# KiCad board oresat-adcs-card.kicad_pcb (continued)
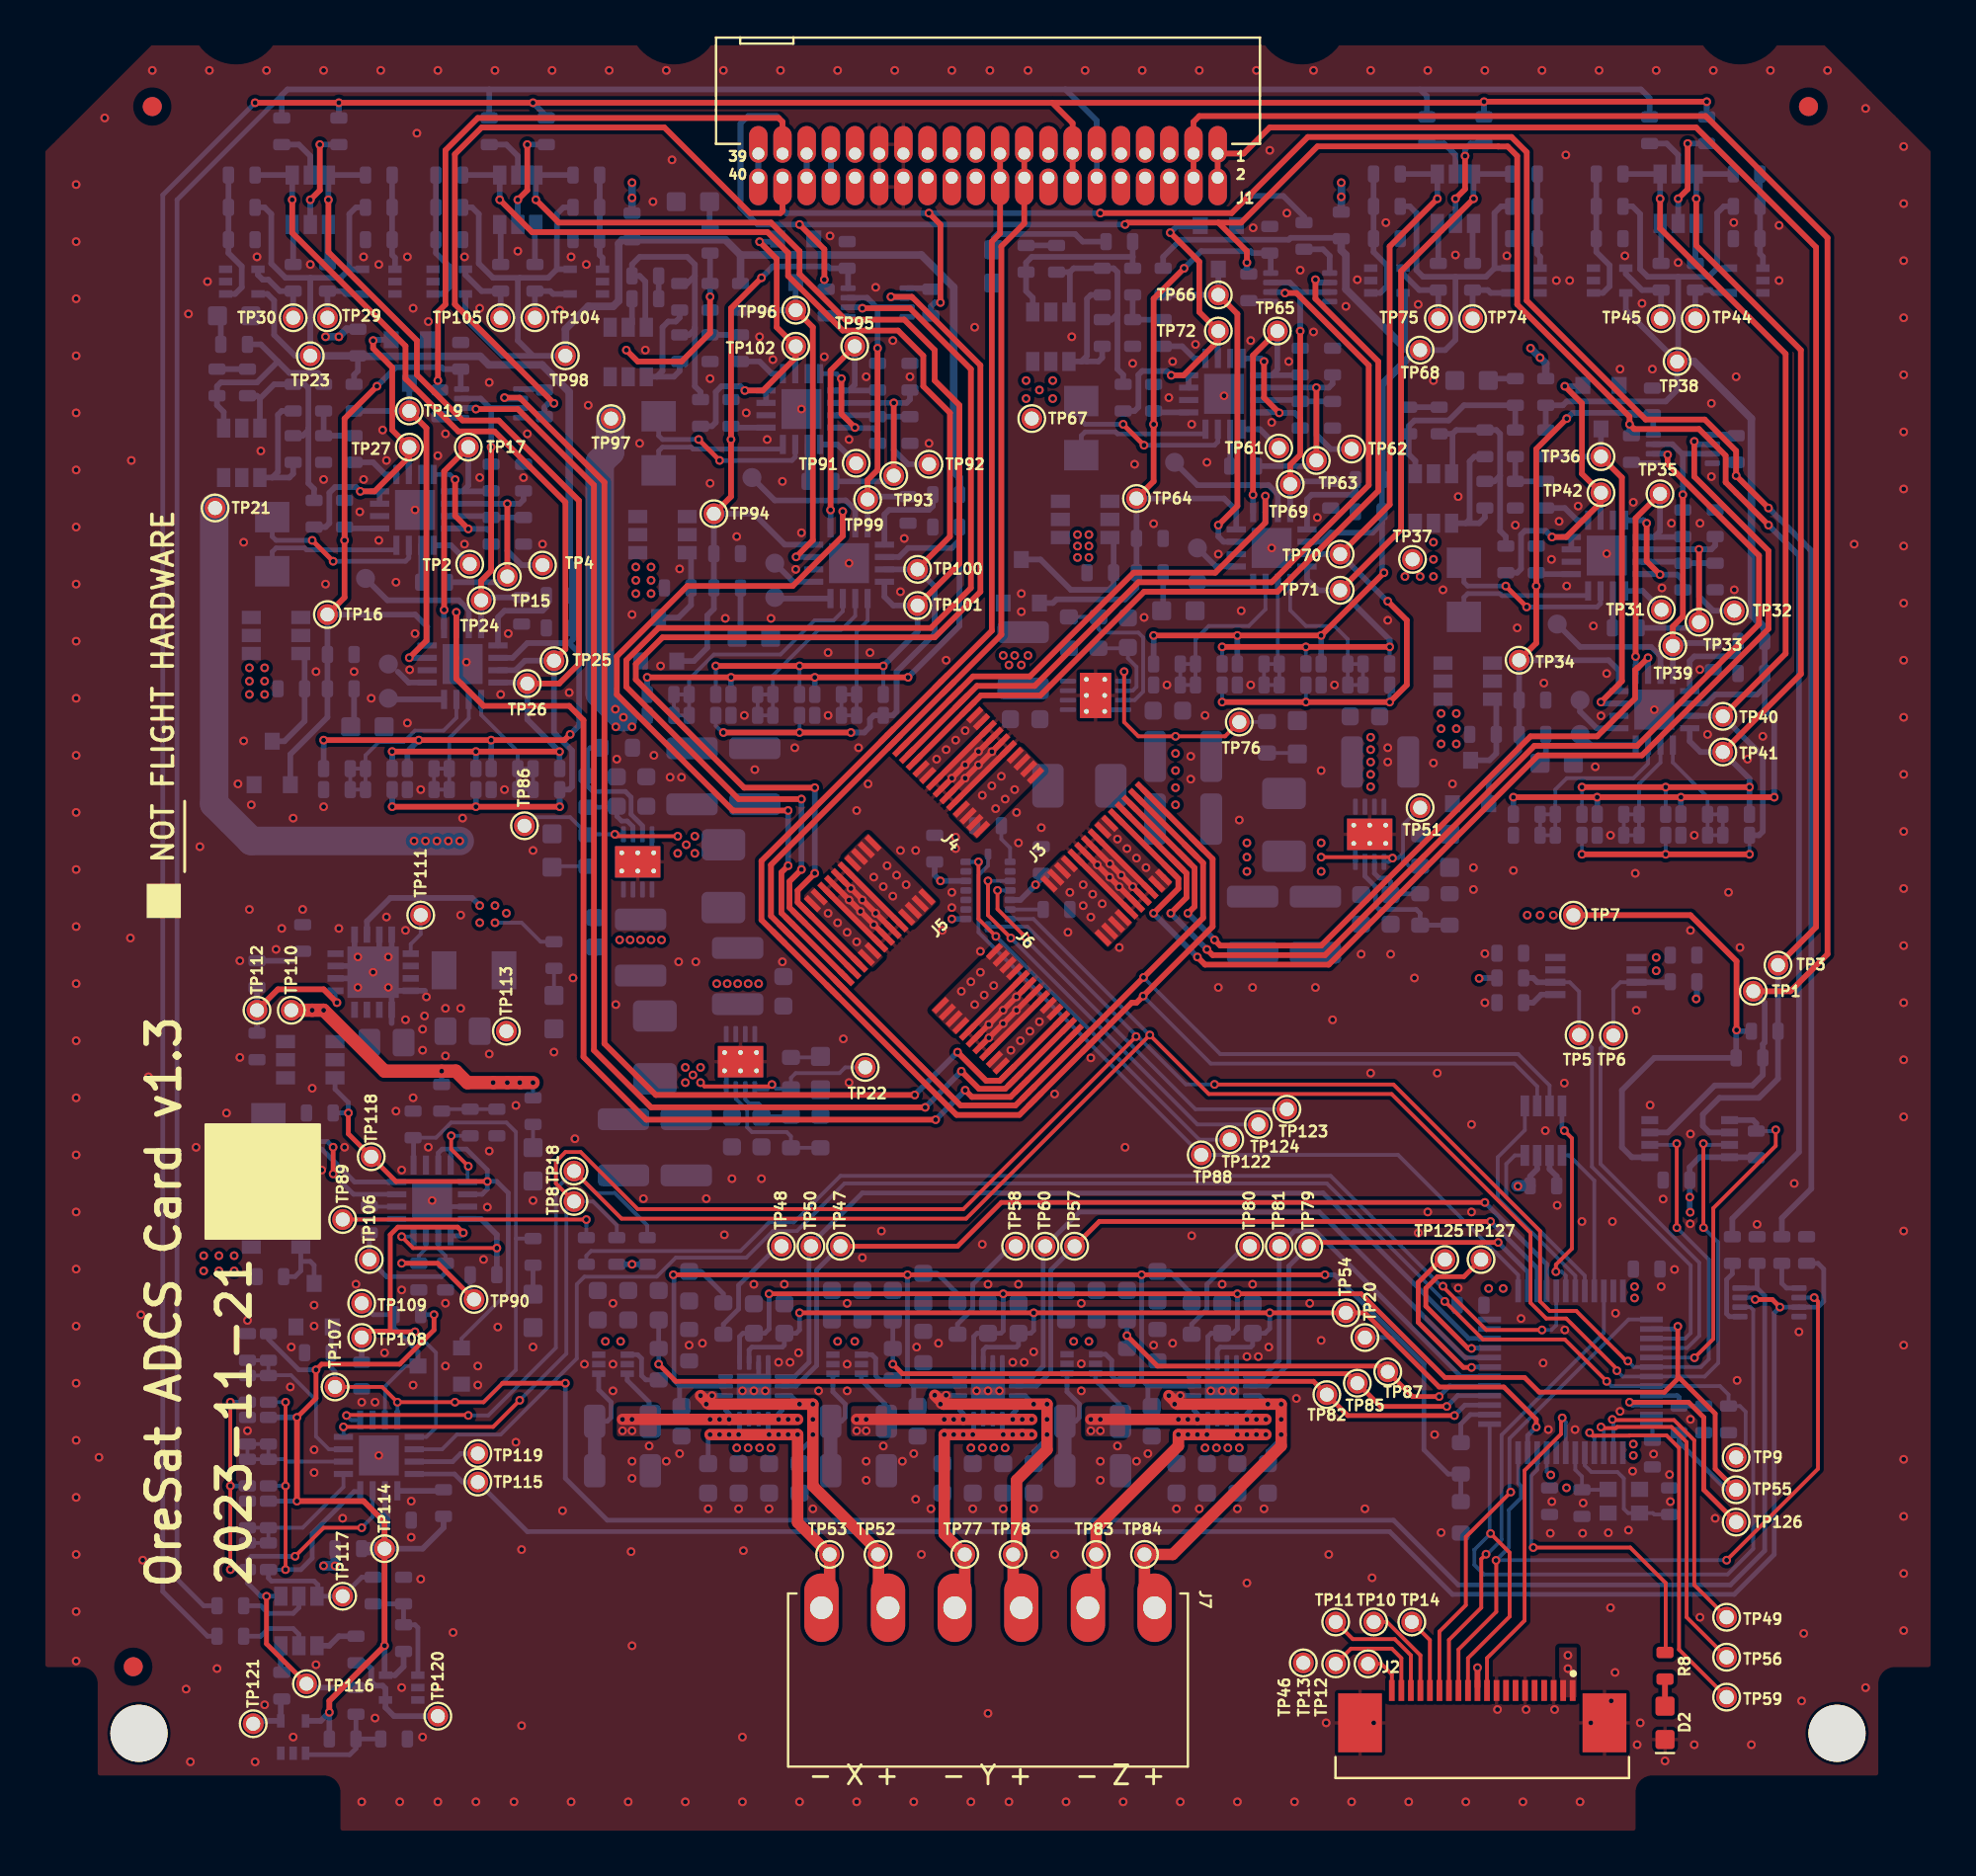
[diagram p0: board, top side]
## Nets (continued)
Net-(Q7-G): Q7.3 Q8.3 R55.1
Net-(Q10A-G): Q10.1 R68.2
Net-(Q10A-S): Q10.5 R53.2
Net-(Q10B-G): Q10.3 R74.2
Net-(Q10B-S): Q10.2 R73.2
Net-(Q11-G): C103.1 Q11.3 R101.1 R136.2 R137.2
Net-(Q11-S): C103.2 Q11.4 R95.2 R101.2 U10.15
Net-(Q12-G): Q12.3 Q13.3 R93.1
Net-(Q15A-G): Q15.1 R106.2
Net-(Q15A-S): Q15.5 R91.2
Net-(Q15B-G): Q15.3 R112.2
Net-(Q15B-S): Q15.2 R111.2
Net-(Q21-G): C105.1 Q21.3 R138.2 R139.2 R177.1
Net-(Q21-S): C105.2 Q21.4 R171.2 R177.2 U18.15
Net-(Q22-G): Q22.3 Q23.3 R169.1
Net-(Q25A-G): Q25.1 R182.2
Net-(Q25A-S): Q25.5 R167.2
Net-(Q25B-G): Q25.3 R188.2
Net-(Q25B-S): Q25.2 R187.2
Net-(Q26-S): Q26.4 R217.2 R223.2 U30.15
Net-(Q27-G): Q27.3 Q28.3 R215.1
Net-(Q30A-G): Q30.1 R268.2
Net-(Q30A-S): Q30.5 R213.2
Net-(Q30B-G): Q30.3 R272.2
Net-(Q30B-S): Q30.2 R271.2
Net-(Q31-G): C107.1 Q31.3 R140.2 R141.2 R253.1
Net-(Q31-S): C107.2 Q31.4 R247.2 R253.2 U26.15
Net-(Q32-G): Q32.3 Q33.3 R245.1
Net-(Q35A-G): Q35.1 R258.2
Net-(Q35A-S): Q35.5 R243.2
Net-(Q35B-G): Q35.3 R264.2
Net-(Q35B-S): Q35.2 R263.2
Net-(R130-Pad1): R130.1 U4.1
Net-(R131-Pad1): R131.1 U21.1
Net-(R132-Pad1): R132.1 U23.1
Net-(U1-SET): R2.2 U1.5
Net-(U3-SENSEA): R15.2 U3.4 U3.9 U4.3
Net-(U3-TOFF): R17.1 R18.1 TP48.1 U3.12
Net-(U4--): R15.1 R133.2 U4.4
Net-(U5-IO0): TP133.1 U5.4
Net-(U5-IO1): TP132.1 U5.5
Net-(U5-IO6): TP28.1 U5.11
Net-(U5-~{RESET}): R54.1 U5.13
Net-(U6-CIN1+): R59.1 R60.2 TP15.1 U6.10
Net-(U6-CIN1-): R61.1 R62.2 TP4.1 U6.11
Net-(U6-CIN2+): R61.2 U6.8 U6.12
Net-(U6-INHIBIT): R65.1 U6.5
Net-(U6-IOUT): R59.2 U6.14
Net-(U6-POUT): TP2.1 U6.13
Net-(U6-RS+): Q7.1 Q7.2 Q7.5 Q7.6 R57.1 U6.16
Net-(U7-INP): C10.1 R75.1 R76.1 U7.1
Net-(U7-OUT): R74.1 TP30.1 U7.4
Net-(U8-INP): C9.1 R71.1 R72.1 U8.1
Net-(U8-OUT): R68.1 TP29.1 U8.4
Net-(U9-IO0): TP129.1 U9.4
Net-(U9-IO1): TP128.1 U9.5
Net-(U9-IO6): TP43.1 U9.11
Net-(U9-~{RESET}): R92.1 U9.13
Net-(U10-CIN1+): R97.1 R98.2 TP33.1 U10.10
Net-(U10-CIN1-): R99.1 R100.2 TP32.1 U10.11
Net-(U10-CIN2+): R99.2 U10.8 U10.12
Net-(U10-INHIBIT): R103.1 U10.5
Net-(U10-IOUT): R97.2 U10.14
Net-(U10-POUT): TP31.1 U10.13
Net-(U10-RS+): Q12.1 Q12.2 Q12.5 Q12.6 R95.1 U10.16
Net-(U11-INP): C15.1 R113.1 R114.1 U11.1
Net-(U11-OUT): R112.1 TP45.1 U11.4
Net-(U12-INP): C14.1 R109.1 R110.1 U12.1
Net-(U12-OUT): R106.1 TP44.1 U12.4
Net-(U13-SDO1): R5.2 U13.15
Net-(U13-SDO2): R4.2 U13.10
Net-(U15-PB1): TP125.1 U15.19
Net-(U15-PB9): TP126.1 U15.46
Net-(U15-PB10): TP127.1 U15.21
Net-(U15-PC13): TP49.1 U15.2
Net-(U15-PC14-OSC32_IN): TP56.1 U15.3
Net-(U15-PC15-OSC32_OUT): TP59.1 U15.4
Net-(U15-PF0-OSC_IN): C36.1 U15.5 X2.1
Net-(U15-PF1-OSC_OUT): C30.1 U15.6 X2.3
Net-(U16-SENSEA): R16.2 U16.4 U16.9 U21.3
Net-(U16-TOFF): R23.1 R24.1 TP58.1 U16.12
Net-(U17-IO0): TP135.1 U17.4
Net-(U17-IO1): TP134.1 U17.5
Net-(U17-IO6): TP73.1 U17.11
Net-(U17-IO7): R126.2 TP69.1 U17.12 U39.3 U39.7
Net-(U17-~{RESET}): R168.1 U17.13
Net-(U18-CIN1+): R173.1 R174.2 TP63.1 U18.10
Net-(U18-CIN1-): R175.1 R176.2 TP62.1 U18.11
Net-(U18-CIN2+): R175.2 U18.8 U18.12
Net-(U18-INHIBIT): R179.1 U18.5
Net-(U18-IOUT): R173.2 U18.14
Net-(U18-POUT): TP61.1 U18.13
Net-(U18-RS+): Q22.1 Q22.2 Q22.5 Q22.6 R171.1 U18.16
Net-(U19-INP): C25.1 R189.1 R190.1 U19.1
Net-(U19-OUT): R188.1 TP75.1 U19.4
Net-(U20-INP): C24.1 R185.1 R186.1 U20.1
Net-(U20-OUT): R182.1 TP74.1 U20.4
Net-(U21--): R16.1 R134.2 U21.4
Net-(U22-SENSEA): R25.2 U22.4 U22.9 U23.3
Net-(U22-TOFF): R29.1 R30.1 TP80.1 U22.12
Net-(U23--): R25.1 R135.2 U23.4
Net-(U24-INTVcc): C57.1 R14.2 U24.6
Net-(U24-MODE): R14.1 R19.1 U24.7
Net-(U24-SW): L1.1 U24.1
Net-(U25-IO0): TP131.1 U25.4
Net-(U25-IO1): TP130.1 U25.5
Net-(U25-IO6): TP103.1 U25.11
Net-(U25-IO7): R127.2 TP99.1 U25.12 U37.3 U37.7
Net-(U25-~{RESET}): R244.1 U25.13
Net-(U26-CIN1+): R249.1 R250.2 TP93.1 U26.10
Net-(U26-CIN1-): R251.1 R252.2 TP92.1 U26.11
Net-(U26-CIN2+): R251.2 U26.8 U26.12
Net-(U26-INHIBIT): R255.1 U26.5
Net-(U26-IOUT): R249.2 U26.14
Net-(U26-POUT): TP91.1 U26.13
Net-(U26-RS+): Q32.1 Q32.2 Q32.5 Q32.6 R247.1 U26.16
Net-(U27-INP): C35.1 R265.1 R266.1 U27.1
Net-(U27-OUT): R264.1 TP105.1 U27.4
Net-(U28-INP): C34.1 R261.1 R262.1 U28.1
Net-(U28-OUT): R258.1 TP104.1 U28.4
Net-(U29-IO6): TP119.1 U29.11
Net-(U29-IO7): R124.2 TP115.1 U29.12 U41.3 U41.7
Net-(U29-~{RESET}): R214.1 U29.13
Net-(U30-CIN1+): R219.1 R220.2 TP106.1 U30.10
Net-(U30-CIN1-): R221.1 R222.2 TP90.1 U30.11
Net-(U30-CIN2+): R221.2 U30.8 U30.12
Net-(U30-INHIBIT): R225.1 U30.5
Net-(U30-IOUT): R219.2 U30.14
Net-(U30-RS+): Q27.1 Q27.2 Q27.5 Q27.6 R217.1 U30.16
Net-(U31-PG): TP111.1 U31.13
Net-(U31-SYNC): R227.1 R228.2 TP112.1 U31.5
Net-(U32-INP): C50.1 R273.1 R274.1 U32.1
Net-(U32-OUT): R272.1 TP121.1 U32.4
Net-(U33-INP): C49.1 R269.1 R270.1 U33.1
Net-(U33-OUT): R268.1 TP120.1 U33.4
Net-(U34-INTVcc): C74.1 R27.1 U34.6
Net-(U34-MODE): R27.2 R28.1 U34.7
Net-(U34-SW): L2.1 U34.1
Net-(U35-INTVcc): C78.1 R32.1 U35.6
Net-(U35-MODE): R32.2 R33.1 U35.7
Net-(U35-SW): L4.1 U35.1
Net-(U36-INTVcc): C81.1 R35.1 U36.6
Net-(U36-MODE): R35.2 R36.1 U36.7
Net-(U36-SW): L5.1 U36.1
Net-(U37-NO1): R38.2 U37.1
Net-(U37-NO2): R115.2 U37.5
Net-(U38-IN1): R125.2 TP39.1 U9.12 U38.3 U38.7
Net-(U38-NO1): R116.2 U38.1
Net-(U38-NO2): R117.2 U38.5
Net-(U39-NO1): R118.2 U39.1
Net-(U39-NO2): R119.2 U39.5
Net-(U40-IN1): R128.2 TP24.1 U5.12 U40.3 U40.7
Net-(U40-NO1): R120.2 U40.1
Net-(U40-NO2): R121.2 U40.5
Net-(U41-NO1): R122.2 U41.1
Net-(U41-NO2): R123.2 U41.5

Pads without a net: J2 4 5 7 8; U6 2; U7 3; U8 3; U10 2; U11 3; U12 3; U13 2 5 14; U18 2; U19 3; U20 3; U24 4; U26 2; U27 3; U28 3; U30 2; U32 3; U33 3; U34 4; U35 4; U36 4

## Via types
v1: diameter 0.457, hole 0.254, Top to Bottom, 1130 vias

## Routing (per net, layer and track width the routed paths; a pad name or vN(x,y) marks a point on that pad's centre or on a via; arc(x,y) is an arc through that point)
3.3V: length 48.4
  Top w0.3: 75.61,7.95 v1(75.61,8.95)
  In1.Cu w0.3: v1(52.4,50.1) 51.9,49.6 51.9,48.3 ; v1(47.4,50.3) 48.4,50.3 49.5,49.2 51,49.2 51.9,48.3 ; 51.9,48.3 v1(48,48.3) ; 51.9,48.3 55.85,44.35
  Bottom w0.2: U15.9 79.25,19.25 79.4,19.1 ; C28.2 84.8,21.7 U15.48 ; R199.2 26.4,47.1 25.4,48.1 v1(24,48.1)
  Bottom w0.3: C4.1 52.7,50.4 v1(52.4,50.1) 51.6,49.3 U13.11 ; C16.1 47.1,50.6 v1(47.4,50.3) U13.3 ; R12.2 v1(31.2,30.15) R11.2 ; 75.64,45.2 R1.2 ; U13.7 v1(48,48.3) ; C37.2 78.38,34.78 78.75,35.15 U14.3 ; R10.1 90.23,35.78 U2.8 87.28,35.78 86.76,35.25 86.76,34.58 C3.1 v1(86.76,33.68) 86.76,32.91 v1(86.79,32.89) ; U31.10 17.28,48.18 18.5,49.4 22.8,49.4 v1(23.2,49) ; R3.2 87.14,44.14 v1(87.1,44.1)
  Bottom w0.6: C37.2 77.68,34.28
  vias: v1(23.2,48.1) v1(24,49) v1(24.6,48.6) v1(29.8,26.1) v1(30.6,26.1) v1(42,26.1) v1(42.9,26.1) v1(54.4,26.1) v1(55.2,26.1) v1(75.7,45.18) v1(76.2,28.88) v1(76.96,28.88) v1(77.74,34.25) v1(79.46,19.08) v1(80.29,18.4) v1(83.8,20.7) v1(83.8,20.1) v1(83.86,28.98) v1(83.86,28.38) v1(85,46.28) v1(85,45.58)
5V_Q1: length 9.1
  Top w0.2: v1(71.15,51.5) 71.1,51.55 v1(67.4,51.55)
  Top w0.3: 59.12,50.49 J3.P$6
  Bottom w0.2: 71.7,51.75 71.7,53.25 TP51.1 ; 71.7,51.75 71.45,51.5 v1(71.15,51.5) 70.95,51.3 U24.5 ; 71.7,51.75 71.7,51.4 72.03,51.08 72.6,51.08
  vias: v1(56.7,52.5) v1(57.2,52) v1(57.7,51.5) v1(58.2,51) v1(63.5,52.3) v1(63.5,51.55) v1(63.5,50.8) v1(67.4,52.3) v1(67.4,50.8)
5V_Q2: length 11.3
  Top w0.2: TP76.1 62.35,57.9 v1(59.75,57.9) 57.8,57.9 57.05,58.65 v1(57.05,61.3)
  Bottom w0.2: R31.1 64.53,58.65 TP76.1 ; U34.5 57.05,60.85 v1(57.05,61.3)
  vias: v1(47.2,56.7) v1(47.7,57.2) v1(48.2,57.7) v1(48.7,58.2) v1(59.75,57) v1(59.75,56.1) v1(59.75,55.2) v1(59.75,54.3)
5V_Q3: length 9.1
  Top w0.2: v1(33.6,52.65) 30.4,52.65 v1(30.3,52.75)
  Bottom w0.2: U35.5 v1(30.3,52.75) 28.88,52.75 R34.1 28.85,52.75 27.95,53.65 26,53.65 TP86.1
  vias: v1(33.6,51.75) v1(34.05,52.2) v1(34.5,52.65) v1(34.5,51.75) v1(41.5,48.6) v1(42,48.1) v1(42.5,47.6) v1(43,47.1)
5V_Q4: length 10.7
  Top w0.2: v1(34.8,39.7) 35,39.5 38.45,39.5 v1(38.55,39.6)
  Bottom w0.2: TP22.1 42.4,40.5 42.1,40.2 39.8,40.2 39.55,39.95 R37.1 38.78,39.38 v1(38.55,39.6) 38.3,39.35 U36.5
  vias: v1(34,40.5) v1(34,39.7) v1(34.4,40.1) v1(34.8,40.5) v1(51.1,41.4) v1(51.6,41.9) v1(52.1,42.4) v1(52.6,42.9)
GND: length 102
  Top w0.3: J3.P$20 J3.P$11 ; J6.P$8 J6.P$23 ; J5.P$22 J5.P$9 ; J4.P$21 48.7,55.69 v1(48.7,55.7) v1(49.4,56.4) 49.41,56.4 v1(50.11,57.09) J4.P$10 ; J6.P$22 v1(51.4,43.5) v1(50.7,42.8) v1(49.95,42.05) J6.P$9 ; J5.P$10 J5.P$21 ; J3.P$10 v1(56.79,49.99) v1(56.29,50.49) v1(55.64,51.14) J3.P$21 ; J4.P$22 48,55.69 v1(48,55.7) v1(48.7,56.4) v1(49.4,57.1) 49.41,57.1 J4.P$9 ; J4.P$23 J4.P$8 ; J3.P$8 J3.P$23 ; J4.P$11 J4.P$20 ; J6.P$21 v1(51.39,44.21) v1(50.69,43.51) v1(49.94,42.76) J6.P$10 ; J6.P$20 J6.P$11 ; J5.P$8 J5.P$23 ; J3.P$9 57.5,49.99 v1(57.5,50) v1(56.9,50.6) v1(56.3,51.2) 56.29,51.2 J3.P$22 ; J5.P$11 J5.P$20
  Bottom w0.25: v1(50.5,23.5) 50.65,23.65 U16.16 ; U3.7 37.35,23.25 v1(37.6,23.5) 37.85,23.75 U3.15 ; U34.9 56.12,59.3 U34.8 ; U24.8 69.2,52.3 69.15,52.35 ; U22.7 61.95,23.25 v1(62.2,23.5) 62.45,23.75 U22.15 ; U3.16 38.35,23.65 v1(38.2,23.5) ; U36.9 36.15,40.23 U36.8 ; U16.7 49.65,23.25 v1(49.9,23.5) 50.15,23.75 U16.15 ; U30.7 21.03,33.18 v1(20.7,33.5) ; v1(62.8,23.5) 62.95,23.65 U22.16 ; U35.8 32.25,51.87 U35.9
  Bottom w0.3: 15.62,45.83 17.28,45.83 v1(17.6,45.5) ; 18.58,44.53 U31.16 20.32,44.53 ; 18.58,44.53 U31.1 18.58,42.83 ; 18.58,44.53 v1(17.6,45.5) ; v1(17.6,45.5) 17.93,45.83 U31.11 ; v1(17.6,45.5) 18.58,46.48 U31.12 ; v1(17.6,45.5) 17.28,45.18 15.62,45.18 ; v1(17.6,45.5) 16.62,46.48 16.62,47.48 ; U14.2 79.4,35.15 79.78,34.78 C37.1
  vias: v1(2,86.9) v1(2,83.9) v1(2,80.9) v1(2,77.9) v1(2,74.9) v1(2,71.9) v1(2,68.9) v1(2,65.9) v1(2,62.9) v1(2,59.9) v1(2,56.9) v1(2,53.9) v1(2,50.9) v1(2,47.9) v1(2,44.9) v1(2,41.9) v1(2,38.9) v1(2,35.9) v1(2,32.9) v1(2,29.9) v1(2,26.9) v1(2,23.9) v1(2,20.9) v1(2,17.9) v1(2,14.9) v1(2,11.9) v1(2,9.3) v1(3.2,20) v1(3.5,90.4) v1(4.9,72.4) v1(4.85,47.3) v1(5.4,27.5) v1(5.5,14.6) v1(5.8,40) v1(6,92.9) v1(7.78,7.83) v1(7.9,80.1) v1(8,4) v1(8.3,36.3) v1(8.5,52.1) v1(8.9,81.8) v1(9,92.9) v1(9.4,8.9) v1(9.9,38.1) v1(10.5,55.4) v1(10.6,46.1) v1(10.6,41.02) v1(10.8,68.1) v1(10.8,57.66) v1(11,27.2) v1(11,21.4) v1(11,17) v1(11.1,48.8) v1(11.2,54.3) v1(11.4,4) v1(11.5,83.1) v1(11.7,72.9) v1(11.9,7) v1(12,92.9) v1(12.5,46.7) v1(12.8,47.8) v1(13.25,23.7) v1(13.3,25.8) v1(13.4,53.6) v1(13.4,5.3) v1(13.9,48.8) v1(14.3,82.7) v1(14.4,39.4) v1(14.5,28) v1(14.5,26.9) v1(14.5,20.4) v1(14.5,19.2) v1(14.6,61.3) v1(14.6,9.1) v1(14.9,35.1) v1(15,92.9) v1(15,71.4) v1(15,54.2) v1(15.1,65.9) v1(15.8,47.8) v1(16,16.8) v1(16.1,36.3) v1(16.6,61.3) v1(16.7,29.1) v1(16.8,46.3) v1(16.8,44.7) v1(16.9,69.7) v1(17,22.9) v1(17,1.9) v1(17.1,83.1) v1(17.1,71.4) v1(17.5,59.9) v1(17.7,22.9) v1(17.7,6.3) v1(17.9,82.7) v1(17.9,68.2) v1(17.9,20.1) v1(18,92.9) v1(18.1,74) v1(18.2,25.5) v1(18.3,72.4) v1(18.3,48.4) v1(18.4,46.3) v1(18.4,44.7) v1(18.8,66) v1(18.8,38.2) v1(19,1.9) v1(19.1,35.1) v1(19.1,28.8) v1(19.1,7.9) v1(19.3,47.7) v1(19.3,43) v1(19.4,83.1) v1(19.4,58.6) v1(19.52,61.4) v1(19.6,17.7) v1(19.6,15.8) v1(19.7,80.4) v1(19.7,38.9) v1(19.7,23.8) v1(19.8,69.8) v1(19.8,63.3) v1(19.9,89.6) v1(20.1,55.1) v1(20.1,13.6) v1(20.2,42.5) v1(20.2,41.4) v1(20.2,5.3) v1(20.3,43.2) v1(20.4,44.2) v1(20.5,79.7) v1(20.5,36.3) v1(20.9,7.9) v1(21,92.9) v1(21,72.65) v1(21,1.9) v1(21.4,73.8) v1(21.4,43.6) v1(21.4,41.1) v1(21.4,28.1) v1(21.4,24.8) v1(21.8,10.8) v1(22.2,48.5) v1(22.2,43.6) v1(22.3,53.6) v1(22.4,83.1) v1(22.4,68) v1(22.5,61.8) v1(23,1.9) v1(23.1,24.8) v1(23.1,23.8) v1(23.2,80.4) v1(23.2,71.5) v1(23.4,30.4) v1(23.6,33.15) v1(23.7,76.5) v1(23.7,41.2) v1(23.7,36.1) v1(24,92.9) v1(24.15,26.85) v1(24.3,60.1) v1(24.5,55.1) v1(24.7,63.3) v1(25,1.9) v1(25.1,38.5) v1(25.1,20.8) v1(25.2,83.4) v1(25.4,15.16) v1(25.4,5.9) v1(25.5,71.5) v1(25.7,73.8) v1(26,51.9) v1(26,33.5) v1(26,25.8) v1(26.5,68) v1(27,92.9) v1(27.1,41.3) v1(27.4,80.3) v1(27.55,17.2) v1(27.9,60.2) v1(28,83.1) v1(28,1.9) v1(28.1,45.2) v1(28.2,36.75) v1(28.7,24.9) v1(28.8,82.7) v1(28.9,75.3) v1(30,92.9) v1(30.2,28.1) v1(30.2,24.9) v1(30.2,23.5) v1(30.35,43.8) v1(30.4,56.7) v1(31,1.9) v1(31.2,64.3) v1(31.2,19.8) v1(31.2,18.9) v1(31.15,15.05) v1(31.2,10.1) v1(31.6,73.3) v1(31.8,33.6) v1(31.9,78.2) v1(32.1,20.6) v1(32.3,86) v1(32.35,56.9) v1(32.7,61.6) v1(33,92.9) v1(33,19.8) v1(33.2,55.75) v1(33.3,88.2) v1(33.65,46.05) v1(33.7,66.7) v1(33.7,20.2) v1(33.8,55.75) v1(34,1.9) v1(34.2,25.9) v1(34.55,46.05) v1(34.9,26) v1(35.1,33.6) v1(35.2,17.3) v1(35.3,76.7) v1(35.3,71.2) v1(36,92.9) v1(36.1,64.1) v1(36.05,31.7) v1(36.45,34.65) v1(36.7,68.4) v1(36.8,17.3) v1(37,23.5) v1(37,5.3) v1(37,1.9) v1(37.1,59) v1(37.05,15.1) v1(37.2,74.9) v1(37.65,56.15) v1(37.6,29.1) v1(37.9,78.9) v1(38,34.65) v1(38.3,73.5) v1(38.4,17.3) v1(38.5,64.1) v1(38.6,77.7) v1(38.9,25) v1(39,92.9) v1(39.1,71.3) v1(39.1,46.05) v1(39.2,29.1) v1(39.5,25) v1(39.75,57.3) v1(39.8,66.68) v1(39.95,25.5) v1(40,1.9) v1(40.1,75.1) v1(40.1,68.6) v1(40.7,17.3) v1(41,23.5) v1(41.3,77.85) v1(41.5,62.3) v1(41.5,59) v1(41.6,84.2) v1(42,92.9) v1(42.3,42) v1(42.5,28.1) v1(42.5,24.9) v1(42.5,23.5) v1(42.6,73.5) v1(42.6,67) v1(42.6,49.3) v1(42.6,39.7) v1(42.7,49.9) v1(43,54) v1(43,1.9) v1(43.1,57.3) v1(43.2,48.7) v1(43.3,49.3) v1(43.3,30.5) v1(43.5,76.8) v1(43.5,19.8) v1(43.5,18.8) v1(43.6,55.4) v1(43.7,62.3) v1(43.9,48) v1(44,81.5) v1(44,48.6) v1(44.3,31.9) v1(44.4,20.6) v1(44.9,78.7) v1(45,92.9) v1(45.3,65.5) v1(45.3,51.9) v1(45.4,19.8) v1(45.5,68.3) v1(45.8,76.8) v1(46,20.2) v1(46,1.9) v1(46.1,51.9) v1(46.1,17.8) v1(46.15,25.8) v1(46.4,14.9) v1(46.8,73.3) v1(46.9,17.3) v1(47.3,26) v1(47.5,47.7) v1(47.7,61.9) v1(48,92.9) v1(48,49.7) v1(48,48.9) v1(48.2,52.6) v1(48.2,52) v1(49,1.9) v1(49.1,17.3) v1(49.2,79.4) v1(49.3,23.5) v1(49.5,46.6) v1(49.6,31.2) v1(49.9,29.1) v1(49.9,6.55) v1(50,92.9) v1(50.7,17.3) v1(51,1.9) v1(51.2,25) v1(51.4,53.9) v1(51.5,52.3) v1(51.5,29.1) v1(51.65,65.4) v1(51.65,64.45) v1(51.8,25) v1(52,92.9) v1(52.3,25.55) v1(52.3,17.3) v1(52.7,53.1) v1(53.4,39.1) v1(53.4,14.9) v1(54,1.9) v1(54.1,47.6) v1(54.3,78.9) v1(54.8,28.1) v1(54.8,24.92) v1(54.8,23.5) v1(55,92.9) v1(55.3,41) v1(55.8,19.8) v1(55.8,18.8) v1(56.7,20.6) v1(56.8,46.8) v1(57,1.9) v1(57.1,36.3) v1(57.5,77.5) v1(57.6,72.2) v1(57.7,19.8) v1(58,92.9) v1(58.1,64.15) v1(58.3,20.2) v1(58.6,69.08) v1(58.6,25.9) v1(59.3,60.6) v1(59.4,75.7) v1(59.6,77.6) v1(59.6,26) v1(59.8,17.3) v1(60,1.9) v1(60.6,74.3) v1(60.55,56.85) v1(60.55,55.65) v1(60.6,31.65) v1(60.8,78.5) v1(61,92.9) v1(61,17.3) v1(61.3,59) v1(61.4,72.3) v1(61.6,23.5) v1(62,67.48) v1(62,44.7) v1(62.2,29.1) v1(62.3,75.8) v1(63,17.3) v1(63,1.9) v1(63.1,53.5) v1(63.2,64.5) v1(63.5,25.3) v1(63.5,13.4) v1(63.7,78.7) v1(63.7,60.6) v1(63.83,84.63) v1(63.8,44.7) v1(63.8,29.1) v1(64,92.9) v1(64.1,25.3) v1(64.4,17.3) v1(64.65,25.8) v1(64.7,88.7) v1(64.8,74.4) v1(64.8,67.8) v1(65.6,85.4) v1(65.7,77.6) v1(66,1.9) v1(66.1,23.1) v1(66.3,82.4) v1(66.8,28.1) v1(67,92.9) v1(67,79.16) v1(67.1,44.7) v1(67.2,69.4) v1(67.4,56.1) v1(67.4,26.15) v1(67.66,6.05) v1(67.8,14.9) v1(68,43) v1(68.1,60.6) v1(68.7,80.5) v1(69,1.9) v1(69.3,81.9) v1(69.5,46.45) v1(69.7,17.3) v1(70,92.9) v1(70,40.2) v1(70.08,13.68) v1(70.16,6.05) v1(70.8,84.9) v1(70.9,64) v1(70.9,57.3) v1(70.9,56.55) v1(71.05,46.45) v1(72,1.9) v1(72.3,45.2) v1(72.5,80.6) v1(72.5,31.8) v1(73,92.9) v1(73,32.9) v1(73.3,76.6) v1(73.3,56.5) v1(73.36,21.2) v1(73.5,40.2) v1(73.7,16.05) v1(73.8,65.6) v1(74.3,55.4) v1(74.46,83.2) v1(74.6,70.5) v1(74.6,28.9) v1(75,1.9) v1(75.3,37.5) v1(75.3,32.9) v1(75.4,51) v1(75.4,49.85) v1(76,92.9) v1(76,46.48) v1(76,43.9) v1(76.66,6.75) v1(77.16,83.16) v1(77.5,50.85) v1(77.6,69) v1(77.7,63.6) v1(77.9,27.3) v1(78,1.9) v1(78.16,6.75) v1(79,92.9) v1(79.1,60.7) v1(79.06,24.96) v1(79.18,37.18) v1(79.34,21.46) v1(79.44,16.01) v1(79.5,67.2) v1(79.52,17.68) v1(79.66,6.75) v1(79.75,81.86) v1(79.8,33.25) v1(79.9,69.2) v1(80.18,39.68) v1(80.2,26.7) v1(80.25,88.46) v1(80.3,65.8) v1(80.46,81.86) v1(80.74,21.46) v1(80.9,70) v1(81,1.9) v1(81.1,32.4) v1(81.14,16.01) v1(81.16,17.6) v1(81.56,6.05) v1(81.7,63.7) v1(81.8,56.3) v1(82,92.9) v1(82.1,58.98) v1(82.4,67.5) v1(82.4,61.2) v1(82.49,16.04) v1(82.6,52.7) v1(82.6,12.1) v1(82.64,7.2) v1(82.7,32.4) v1(82.84,8.7) v1(82.86,27.58) v1(83.1,77.2) v1(83.1,22.42) v1(83.36,83.16) v1(83.54,16.18) v1(83.8,70.2) v1(83.76,19.28) v1(83.9,50.7) v1(83.95,43.5) v1(84,4.9) v1(84.16,6.05) v1(84.25,80.66) v1(84.68,38.52) v1(84.8,77.2) v1(84.9,59.3) v1(84.86,20.18) v1(85,92.9) v1(85.3,65.7) v1(85.26,28.98) v1(85.36,33.58) v1(85.46,4.05) v1(85.7,19.1) v1(85.74,17.68) v1(85.8,69.1) v1(85.96,29.88) v1(86.16,82.8) v1(86.8,47.7) v1(86.8,37) v1(86.79,32.28) v1(86.8,22) v1(87,52.7) v1(87,4.9) v1(87.3,69.1) v1(87.29,61.41) v1(87.3,11.6) v1(87.7,58) v1(87.9,75.4) v1(87.9,71.55) v1(88,92.9) v1(88.1,16.8) v1(88.8,49.7) v1(89.08,84.91) v1(89.1,65.6) v1(89.2,76.8) v1(89.25,24.05) v1(89.4,46.8) v1(89.8,56.7) v1(90,4.9) v1(90.3,32.25) v1(90.6,57.9) v1(91,92.9) v1(91.46,84.76) v1(91.46,81.86) v1(92.25,34.4) v1(92.5,26.6) v1(92.64,7.2) v1(92.75,10.75) v1(94,92.9) v1(95.4,68) v1(96,90.9) v1(96,7.9) v1(98,88.9) v1(98,85.9) v1(98,82.9) v1(98,79.9) v1(98,76.9) v1(98,73.9) v1(98,70.9) v1(98,67.9) v1(98,64.9) v1(98,61.9) v1(98,58.9) v1(98,55.9) v1(98,52.9) v1(98,49.9) v1(98,46.9) v1(98,43.9) v1(98,40.9) v1(98,37.9) v1(98,31.9) v1(98,25.9) v1(98,19.9) v1(98,16.9) v1(98,13.9) v1(98,10.9)
VBUS:
  vias: v1(8.7,30.6) v1(8.7,29.8) v1(9.5,30.6) v1(9.5,29.8) v1(10.3,30.6) v1(10.3,29.8) v1(11.1,61.5) v1(11.1,60.8) v1(11.1,60.1) v1(11.9,61.5) v1(11.9,60.8) v1(11.9,60.1) v1(31.4,66.8) v1(31.4,66.1) v1(31.4,65.4) v1(32.2,66.8) v1(32.2,66.1) v1(32.2,65.4) v1(54.6,68.5) v1(54.6,67.9) v1(54.6,67.3) v1(55.2,68.5) v1(55.2,67.9) v1(55.2,67.3) v1(73.7,59.1) v1(73.7,58.3) v1(73.7,57.5) v1(74.5,59.1) v1(74.5,58.3) v1(74.5,57.5)
VBUSP: length 17.7
  Top w0.7: TP110.1 v1(14.4,43.5) v1(15,43.5) 18.2,40.3 v1(21.2,40.3) 21.95,40.3 22.55,39.7 v1(23.9,39.7) v1(24.65,39.7) v1(25.3,39.7) v1(26,39.7)
  Bottom w0.2: R198.2 v1(26,39.7)
  Bottom w0.25: v1(21.2,40.3) C44.2
  Bottom w0.3: R227.2 13.4,46.1
  vias: v1(36.7,20.5) v1(37.3,20.5) v1(37.9,20.5) v1(38.5,20.5) v1(49,20.5) v1(49.6,20.5) v1(50.2,20.5) v1(50.8,20.5) v1(61.3,20.5) v1(61.9,20.5) v1(62.5,20.5) v1(63.1,20.5) v1(80.36,9.6) v1(80.36,8.9)
VBUSP_Q1: length 19.2
  In1.Cu w1.5: 72.2,67.3 72.2,59.2 71.4,58.4
  Bottom w0.3: C12.2 R77.2 74.9,75.3 74.1,74.5 72.3,74.5 72,74.2 C104.2 72,72.73 72.35,72.38 Q11.1
  vias: v1(54.2,49.7) v1(54.9,50.1) v1(54.9,49) v1(55.3,48.4) v1(55.4,49.6) v1(55.9,49.1) v1(70,57.85) v1(70,57.2) v1(70,56.55) v1(70,55.9) v1(70,55.25) v1(71.8,66.3) v1(72.6,66.3) v1(73.3,68.1) v1(73.3,67.2) v1(73.3,66.3)
VBUSP_Q2: length 19.3
  In1.Cu w1.5: 49.2,67.5 49.2,70.1 52.25,73.15 52.25,75.65
  Bottom w0.3: 57.5,83.1 R153.2 ; 57.5,83.1 C22.2 ; 57.5,83.1 52.2,83.1 51.9,82.8 C106.2 51.9,81.3 52.25,80.95 Q21.1
  vias: v1(49.6,54.8) v1(50.1,55.3) v1(50.3,54.1) v1(50.6,55.8) v1(50.7,62.15) v1(50.8,54.6) v1(51,61.65) v1(51.3,62.15) v1(51.3,55.1) v1(51.65,61.65) v1(51.9,76.6) v1(51.9,75.65) v1(52,62.15) v1(52.6,76.1) v1(53.3,76.6) v1(53.3,75.65)
VBUSP_Q3: length 59.3
  Top w0.3: v1(30.9,78.2) 31.5,77.6 33.8,77.6 35.3,79.1 v1(35.3,81)
  In1.Cu w1.5: 29.53,58.77 29.15,58.39 29.15,49.15 v1(31.1,47.2) v1(32.75,47.2) 40.65,47.2 42.05,45.8 43.7,45.8 45.4,47.5 45.4,49.65 44.3,50.75
  Bottom w0.3: R229.2 C32.2 v1(35.3,81) ; C108.2 31.2,79.6 Q31.2
  Bottom w1.5: 30.05,74.55 30.05,72.85 29.5,72.3 29.5,60.15 v1(30.33,59.33) v1(30.75,58.9)
  vias: v1(30.35,58.4) v1(30.55,47.2) v1(31.2,58.4) v1(31.65,47.2) v1(32.2,47.2) v1(43.9,50.5) v1(44.4,50) v1(44.6,51.1) v1(44.9,49.5) v1(45.1,50.6) v1(45.6,50.1)
VBUSP_Q4: length 74.3
  In1.Cu w1.5: v1(19.75,52.4) 23.3,52.4 30.8,44.9 v1(35.65,44.9) 39.25,44.9 40.95,43.2 44.7,43.2 46.1,44.6 49.3,44.6
  Bottom w0.3: 12.6,77.6 11.5,76.5 9.6,76.5 9.4,76.3 C110.2 9.4,75.3 9.75,74.95 Q6.1 ; 12.6,77.6 11.7,78.5 R39.2 ; 12.6,77.6 13.2,77 14.7,77 15,76.7 C7.2
  Bottom w1.5: v1(22.15,52.4) 11.2,52.4 9.25,54.35 9.25,69.92
  vias: v1(20.35,52.4) v1(20.95,52.4) v1(21.55,52.4) v1(36.2,44.9) v1(36.75,44.9) v1(37.3,44.9) v1(37.85,44.9) v1(48.5,44.5) v1(49,45) v1(49.2,43.8) v1(49.5,45.5) v1(49.7,44.3) v1(50.2,44.8)
/Card Power Domain/AD0: length 9.3
  Bottom w0.2: R201.1 R204.1 R202.2 R203.2 R201.1 ; R201.1 13.9,16.3 16.04,18.44 U29.1
/Card Power Domain/AD1: length 7.8
  Bottom w0.2: R208.1 12.93,19.9 13.06,19.78 U29.2 ; R208.1 R206.2 R207.2 R205.1 R208.1
/Card Power Domain/AD2: length 10.5
  Bottom w0.2: U29.3 15.28,20.43 14.6,21.1 14.6,23 13.28,24.32 12.12,24.32 ; R212.1 R209.1 R211.2 R210.2 R212.1
  Bottom w0.25: 12.12,24.32 R212.1
/Card Power Domain/CB-RESET: length 21
  Top w0.25: 18.5,26.64 18.5,31.7 18.9,32.1 22.04,32.1 v1(22.34,31.8) ; 18.5,26.64 18.5,26.6 v1(19.8,26.6) ; 18.5,26.64 17.33,26.64 TP108.1
  Bottom w0.2: U29.9 20.4,21.08 20.9,21.58 20.9,25.5 v1(19.8,26.6)
  Bottom w0.25: v1(22.34,31.8) 22.18,31.64 21.68,31.64
  Bottom w0.3: R218.2 TP108.1
/Card Power Domain/CB_CTRL: length 29.6
  Top w0.25: v1(23.6,34.5) 18.8,34.5 TP118.1 16.3,37 v1(16.3,38.1)
  Bottom w0.2: Q29.1 22.24,26.25 24.7,28.7
  Bottom w0.25: Q26.3 15.6,39.35 16.3,38.65 v1(16.3,38.1) R223.1 ; U30.3 21.03,36 21.23,36.2 21.68,36.2 ; U30.6 23.33,33.83 23.6,34.1 v1(23.6,34.5) ; v1(23.6,34.5) 23.6,35.1 22.5,36.2 21.68,36.2 ; v1(23.6,34.5) 24.1,34.5 24.7,33.9 24.7,28.7 ; 21.68,36.2 21.68,35.36
/Card Power Domain/ON/~{OFF}: length 129
  Top w0.2: 24.4,23.9 23.4,22.9 v1(21.9,22.9) v1(18.88,22.9) 18.08,23.7 TP107.1
  Top w0.25: 24.4,23.9 v1(27.7,23.9)
  Bottom w0.2: 25.1,31.5 25.1,24.6 23.4,22.9 v1(21.9,22.9) ; 25.1,31.5 25.1,37.1 24.6,37.6 21.7,37.6 20.9,36.8 C48.1 ; 25.1,31.5 R267.2 ; U29.8 v1(18.88,22.9)
  Bottom w0.25: v1(27.7,23.9) 27.7,18.9 29.9,16.7 71.2,16.7 74.6,13.3 88.9,13.3 90.7,15.1 90.7,28.5 90.3,28.9 ; U30.1 19.73,36.78 C48.1 ; 90.3,28.9 C99.2 ; 90.3,28.9 U41.8 ; TP107.1 15.6,24.5 15.4,24.7 R216.2 15.4,26.81
  Bottom w0.3: Q28.1 15.4,26.81
/Card Power Domain/PEN-SCL-FILT: length 31.8
  Top w0.2: v1(13.5,14.8) 15,16.3 v1(17,16.3) ; v1(10.1,22.9) v1(10.1,18.5) v1(10.1,14.1)
  Top w0.25: v1(12,12.7) 12,10.2 TP116.1
  Bottom w0.2: v1(17,16.3) 17.58,16.88 U29.15
  Bottom w0.25: R210.1 v1(10.1,22.9) ; R202.1 11,14.6 11.2,14.8 v1(13.5,14.8) ; R202.1 11,13.41 11.7,12.71 11.72,12.71 11.72,12.7 v1(12,12.7) Q30.4 ; R202.1 v1(10.1,14.1) ; R206.1 v1(10.1,18.5)
  Bottom w0.3: TP116.1 14.3,7.9 R273.2
/Card Power Domain/PEN-SDA-FILT: length 25.1
  Top w0.2: v1(13,14.1) v1(13,18.5) v1(13,22.9)
  Bottom w0.2: R212.2 v1(13,22.9) ; v1(13,18.5) R208.2 ; v1(13,14.1) R204.2
  Bottom w0.25: R269.2 17,13.7 TP117.1 Q30.6 14.7,12.7 14.7,13.3 14.5,13.5 12.26,13.5 12.1,13.66 R204.2 ; U29.16 16.88,18.2 16.6,18.2 14.4,16 14.4,14.7 13.8,14.1 v1(13,14.1)
/Card Power Domain/~{FAULT}: length 9.1
  Bottom w0.2: Q29.3 19.3,24.8 18.23,23.73 U29.7
  Bottom w0.25: Q29.3 19.96,25.55 18.7,26.8 R226.1 17.6,27.5 TP109.1
/Magnetorquers/MT_REF: length 80.1
  Top w0.25: v1(67.6,29.6) v1(57.97,29.6) v1(45.67,29.6) v1(33.37,29.6)
  Bottom w0.25: 58.3,23.75 57.97,24.08 v1(57.97,29.6) ; 58.3,23.75 U22.11 ; 58.3,23.75 58.3,22.88 C65.1 ; v1(45.67,29.6) 45.67,24.08 46,23.75 ; C53.1 46,22.88 46,23.75 ; U16.11 46,23.75 ; R21.2 R20.1 74.07,19.13 72.8,20.4 72.8,24.9 71.4,26.3 ; 71.4,26.3 68.1,29.6 v1(67.6,29.6) ; 71.4,26.3 TP20.1 ; 33.7,23.75 33.4,24.05 33.4,29.57 v1(33.37,29.6) ; 33.7,23.75 U3.11 ; 33.7,23.75 33.7,22.78 C5.1
/Microcontroller/PA0: length 16.6
  Top w0.2: v1(78.54,15.26) 83.64,15.26 85.5,13.4 85.5,9.79 R8.2
  Bottom w0.2: U15.10 78.75,19.35 78.44,19.04 78.44,15.37 v1(78.54,15.26)
/Q1 Power Domain/AD0_Q1: length 8.2
  Bottom w0.2: R79.1 R81.2 R80.2 R82.1 R79.1 ; R79.1 87.7,54.7 85.88,56.53 U9.1
/Q1 Power Domain/AD1_Q1: length 7.9
  Bottom w0.2: R86.1 R84.2 R85.2 R83.1 R86.1 ; R86.1 84.1,55.4 85.22,56.53 U9.2
/Q1 Power Domain/AD2_Q1: length 11.5
  Bottom w0.2: R90.1 R88.2 R89.2 R87.1 R90.1 ; R90.1 79.7,55.1 80.3,55.7 83.8,55.7 84.58,56.48 U9.3
/Q1 Power Domain/CB-RESET_Q1: length 14.6
  Top w0.3: TP35.1 83.92,69.36 v1(83.92,62.09)
  Bottom w0.3: R96.2 86.38,68.38 84.9,68.38 ; TP35.1 85.2,68.68 84.9,68.38 ; U9.9 83.93,62.09 v1(83.92,62.09) ; 84.26,68.38 84.9,68.38
/Q1 Power Domain/CB_CTRL_Q1: length 18.8
  Top w0.3: v1(79.53,68.38) 80.28,68.38 82.1,70.2 TP42.1 81.1,71.7 81.1,75.4 v1(80.2,76.3)
  Bottom w0.3: v1(80.2,76.3) 81.1,76.3 Q14.1 ; U10.6 82.08,70.68 TP42.1 ; R136.1 77.7,66.5 77.9,66.7 77.9,68.5 78.1,68.7 79.2,68.7 v1(79.53,68.38) 80.54,68.38 U10.3
/Q1 Power Domain/ON/~{OFF}_Q1: length 36.8
  Top w0.3: v1(80.3,74.6) 78.7,73 v1(78.7,65.8) 78.7,62.8 TP34.1
  Bottom w0.3: v1(80.3,74.6) 80.6,74.9 83.8,74.9 83.9,74.8 C84.2 84.85,74.75 U38.8 ; U9.8 83.04,61.36 82.5,61.9 TP34.1 R94.2 R105.2 77.8,57.15 76.2,55.55 Q13.1 ; v1(78.7,65.8) C13.1 78.78,66.43 U10.1
/Q1 Power Domain/PEN-SCL-FILT_Q1: length 55.8
  Top w0.3: TP40.1 91.8,62.25 91.8,78 85.21,84.6 v1(85.21,86.16) ; v1(81.1,51.7) v1(85.5,51.7) v1(89.9,51.7)
  Bottom w0.2: R84.1 v1(85.5,51.7) ; R88.1 v1(81.1,51.7) ; v1(89.9,51.7) R80.1
  Bottom w0.3: 85.21,87.36 v1(85.21,86.16) ; 85.21,87.36 85.11,87.46 R113.2 ; 85.21,87.36 Q15.4 ; U9.15 88.47,58.98 TP40.1 90.6,56.85 90.6,52.9 90.4,52.7 R80.1
/Q1 Power Domain/PEN-SDA-FILT_Q1: length 54.5